# Altium PCB main - Copy.PcbDoc (part 1 of 14) (continued)
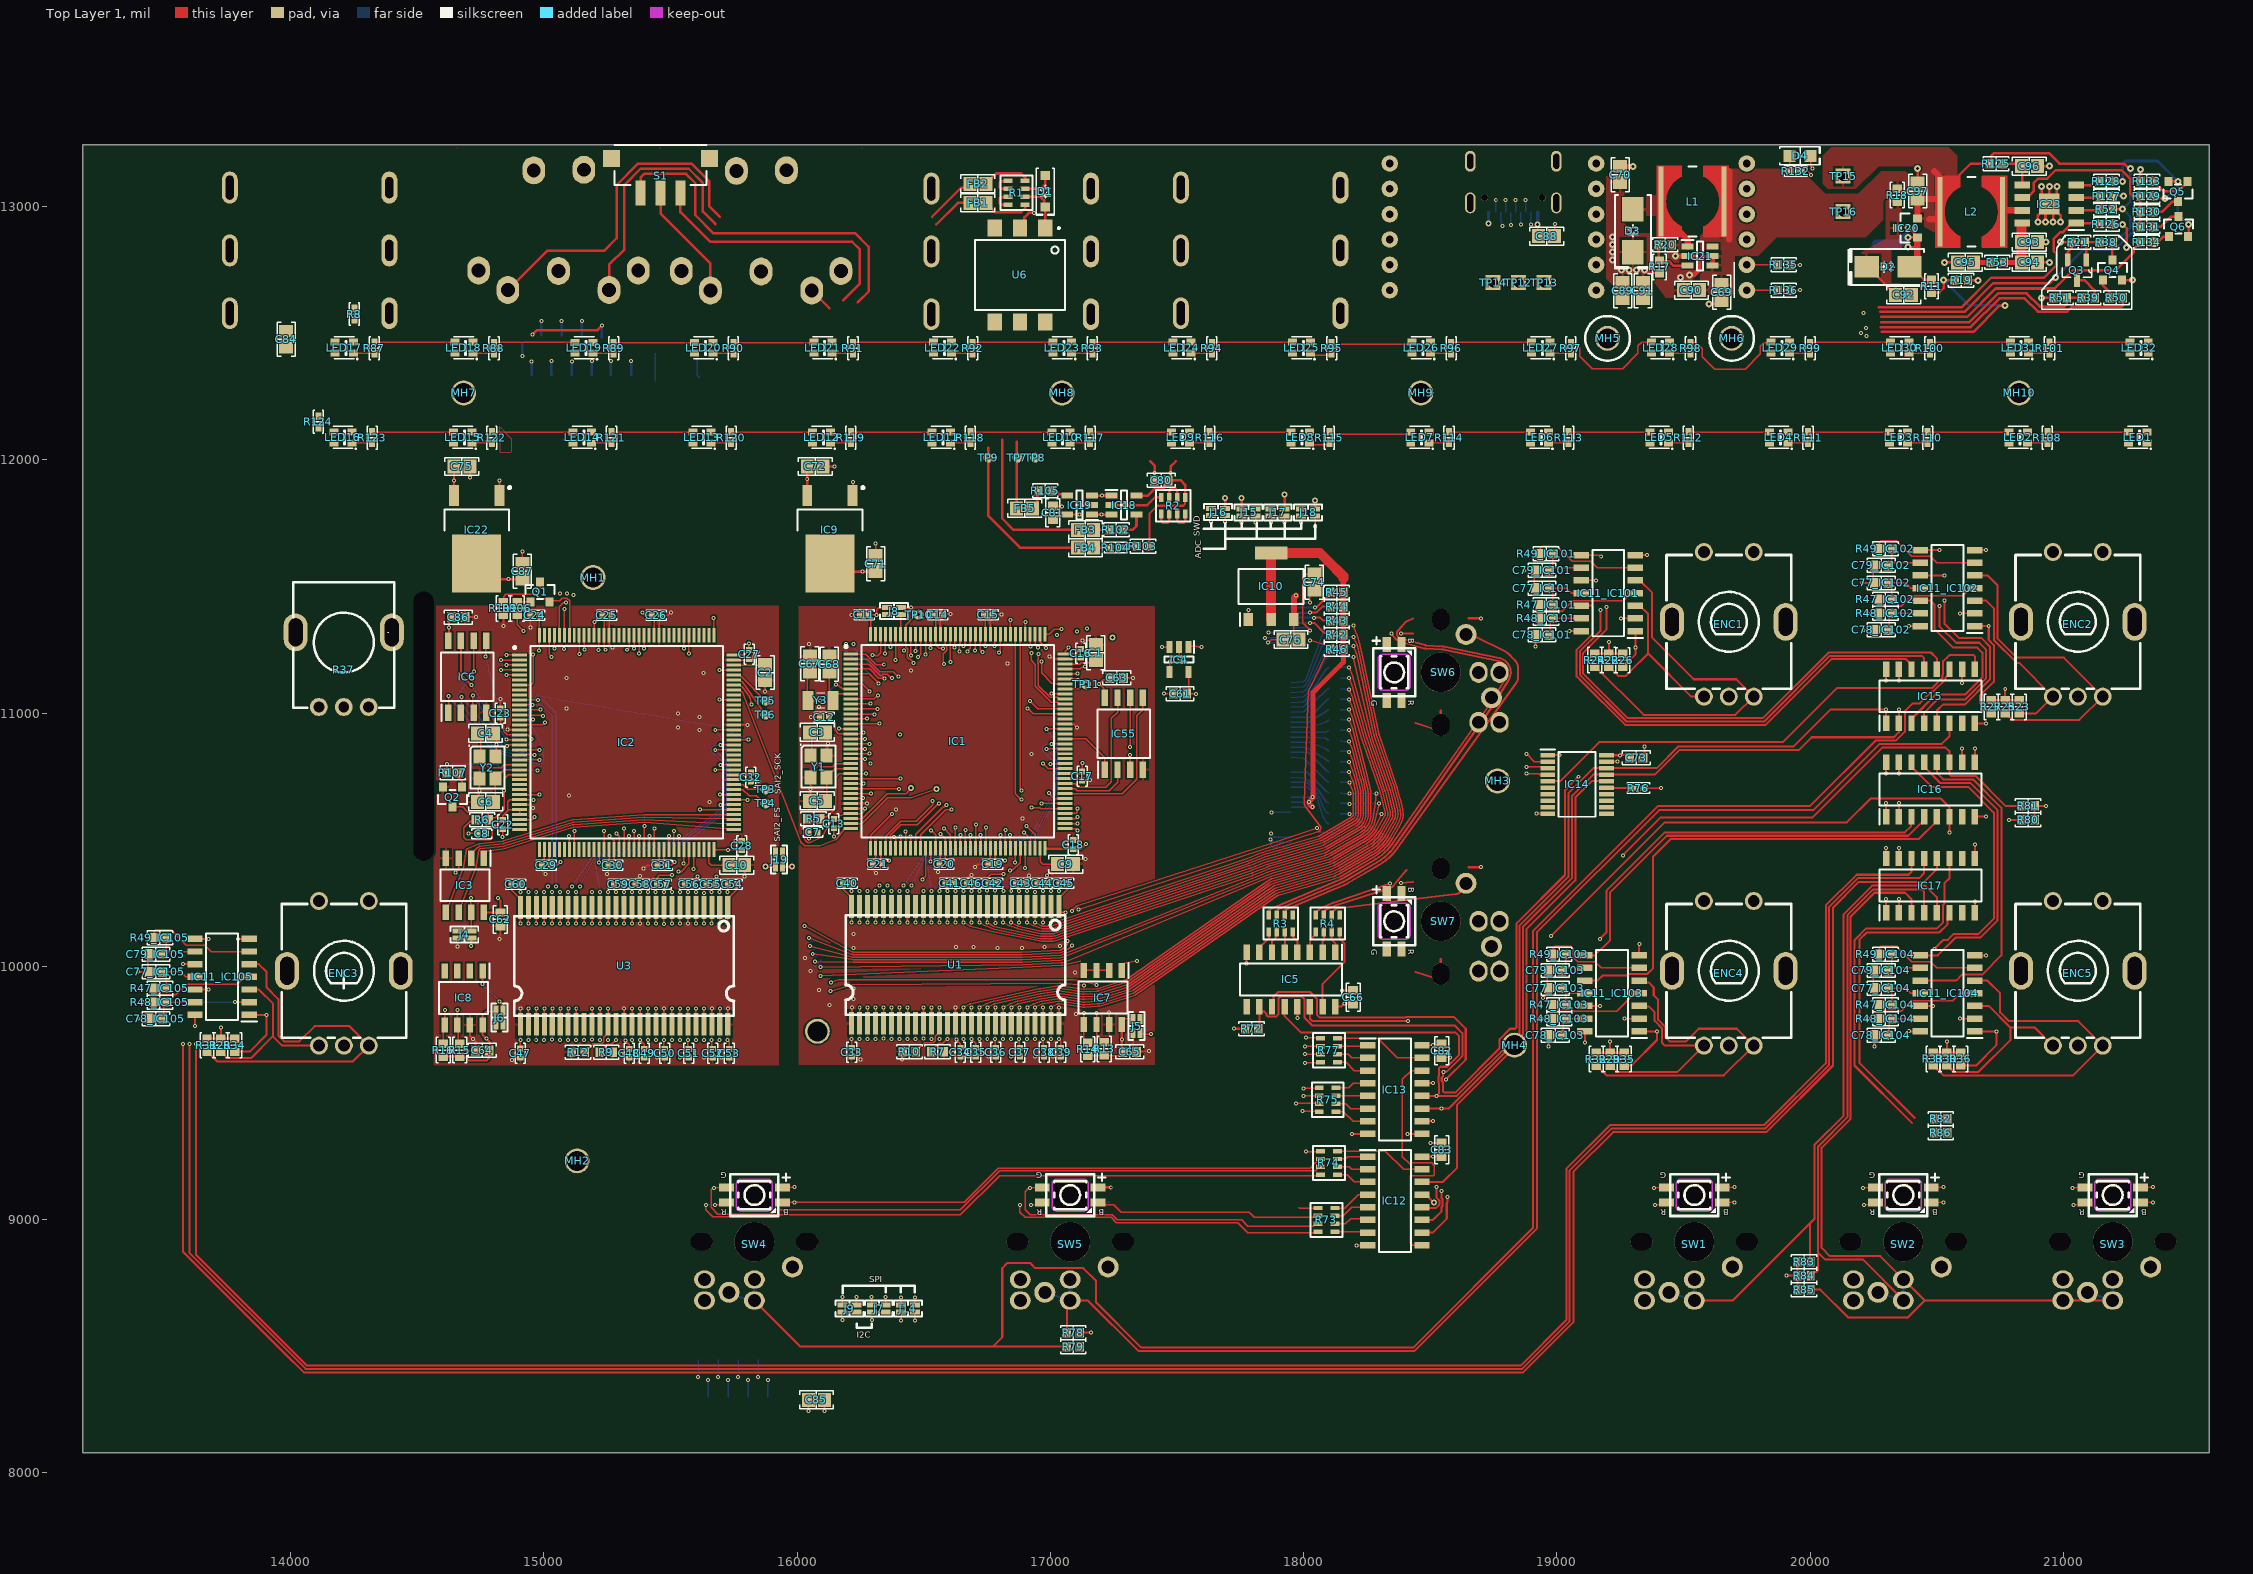
[diagram p0: Top Layer 1 view]
## Components (designator, comment, footprint, x,y, rotation, side; value= is the part's Value field where it differs from the comment) (continued)
ENC4 "Encoder_15mm" EC11_15mm 19678.75,9982.6 r0 top
ENC5 "Encoder_15mm" EC11_15mm 21056.7,9982.6 r0 top
FB1 "220 Ohms @ 100 MHz" "FER 0805_2012" 16713.5,13015 r0 top
FB2 "220 Ohms @ 100 MHz" "FER 0805_2012" 16713.5,13090 r0 top
FB3 "220 Ohms @ 100 MHz" "FER 0805_2012" 17138.5,11723.82 r180 top
FB4 "220 Ohms @ 100 MHz" "FER 0805_2012" 17138.5,11653.82 r180 top
FB5 "220 Ohms @ 100 MHz" "FER 0805_2012" 16898.5,11808.62 r180 top
H1 "arduino_header_6" header-6_female 19154.81,12669.99 r90 bottom
H2 "arduino_header_6" header-6_female 19749.81,13169.99 r270 bottom
H3 "FFC_50_DBG" FFC_50_DBG 17861.42,10805.71 r90 bottom
H4 "arduino_header_6" header-6_female 18340,12670 r90 bottom
IC1 "STM32H743ZIT6U" QFP50P2200X2200X160-144N 16635,10888.82 r0 top
IC2 "STM32H743ZIT6U" QFP50P2200X2200X160-144N 15326.76,10884.63 r0 top
IC3 "LY68L6400SLIT" SOIC127P600X175-8N 14688.33,10320.26 r270 top
IC4 "SN74LVC1G125DBVR" SOT95P280X145-5N 17508.39,11211.73 r270 top
IC5 "74HC595D_BJ_" SOIC127P600X175-16N 17950,9948.82 r270 top
IC6 "N25Q128A13ESE40F" SOIC127P790X216-8N 14697.62,11143.9 r90 top
IC7 "AT24C128BN-SH-B" SOIC127P600X175-8N 17207.09,9877.2 r270 top
IC8 "AT24C128BN-SH-B" SOIC127P600X175-8N 14683.33,9875.26 r270 top
IC9 "LD1117DT33TR" TO228P972X240-3N 16129.76,11687.56 r270 top
IC10 "ams1117-3.3v" SOT-223 17871.42,11500.71 r90 top
IC11_IC101 "74VHCT14AM" SOIC127P600X175-14N 19202.72,11473.82 r180 top (schematic designator IC11)
IC11_IC102 "74VHCT14AM" SOIC127P600X175-14N 20542.28,11493.82 r180 top (schematic designator IC11)
IC11_IC103 "74VHCT14AM" SOIC127P600X175-14N 19217.72,9893.82 r180 top (schematic designator IC11)
IC11_IC104 "74VHCT14AM" SOIC127P600X175-14N 20542.28,9893.82 r180 top (schematic designator IC11)
IC11_IC105 "74VHCT14AM" SOIC127P600X175-14N 13730,9958.82 r180 top (schematic designator IC11)
IC12 "74HC595D_BJ_" SOIC127P600X175-16N 18360,9073.82 r0 top
IC13 "74HC595D_BJ_" SOIC127P600X175-16N 18360,9513.82 r0 top
IC14 "SN74HC245PWR" SOP65P640X120-20N 19080,10718.82 r0 top
IC15 "74HC165D_BJ_" SOIC127P600X175-16N 20475,11066.53 r90 top
IC16 "74HC165D_BJ_" SOIC127P600X175-16N 20475,10698.82 r90 top
IC17 "74HC165D_BJ_" SOIC127P600X175-16N 20475,10318.82 r90 top
IC18 "SN74LVC1G125DBVR" SOT95P280X145-5N 17290.79,11821.22 r0 top
IC19 "SN74LVC1G125DBVR" SOT95P280X145-5N 17115.79,11821.22 r180 top
IC20 "DMP1045U-7" "DIODES SOT-23-3" 20384.02,12915 r180 top
IC21 "MT3608" SOT95P280X145-6N 19565.6,12804.4 r0 top
IC22 "LD1117DT33TR" TO228P972X240-3N 14734.76,11687.56 r270 top
IC23 "IP2312" SOIC127P600X165-9N 20944.02,13010 r180 top
IC55 "N25Q128A13ESE40F" SOIC127P790X216-8N 17290,10918.82 r90 top
J1 "0528081271" AFA11-S12GLA-00 14912.44,12483.82 r0 bottom
J2 "0528081271" AFA11-S12GLA-00 15699.92,12483.82 r0 bottom
J3 "0528081271" AFA11-S12GLA-00 15609.41,8446.46 r0 bottom
J4 "" "CON: JUMPER x2"#1 14658.33,10125.26 r270 top
J5 "" "CON: JUMPER x2"#1 17340.87,9737.09 r0 top
J6 "" "CON: JUMPER x2"#1 14824.55,9770.14 r0 top
J7 "" "CON: JUMPER x2"#2 16350,8648.82 r90 top
J8 "" "CON: JUMPER x2"#3 16354.88,11402.6 r90 top
J9 "" "CON: JUMPER x2"#3 16178.66,8648.94 r90 top
J14 "" "CON: JUMPER x2"#2 16465.12,8648.82 r90 top
J15 "" "CON: JUMPER x2"#2 17810.12,11792.6 r90 top
J16 "" "CON: JUMPER x2"#2 17690,11793.82 r90 top
J17 "" "CON: JUMPER x2"#2 17925.12,11792.6 r90 top
J18 "" "CON: JUMPER x2"#2 18045.12,11792.6 r90 top
J19 "" "CON: JUMPER x2"#2 15928.78,10393.82 r0 top
J20 "TYPE-C-31-M-12" "HRO_TYPE-C-31-M-12 - REZONIT" 18827.81,13178.99 r0 bottom
JK1 "MIDI_IN" DIN5 15057.75,12945.5 r180 bottom
JK2 "MIDI_OUT/THRU" DIN5 15857.75,12943.5 r180 bottom
L1 "3.3 µH" "BOURNS SRR6028" 19535.79,13019.99 r180 top
L2 "3.3 µH" "BOURNS SRR6028" 20635.98,12980 r180 top
LED1 "WS2812B" WS2812B_2.2x2mm 21292.3,12087.25 r180 top
LED2 "WS2812B" WS2812B_2.2x2mm 20819.85,12087.25 r180 top
LED3 "WS2812B" WS2812B_2.2x2mm 20347.41,12087.25 r180 top
LED4 "WS2812B" WS2812B_2.2x2mm 19874.97,12087.25 r180 top
LED5 "WS2812B" WS2812B_2.2x2mm 19402.53,12087.25 r180 top
LED6 "WS2812B" WS2812B_2.2x2mm 18930.09,12087.25 r180 top
LED7 "WS2812B" WS2812B_2.2x2mm 18457.65,12087.25 r180 top
LED8 "WS2812B" WS2812B_2.2x2mm 17985.21,12087.25 r180 top
LED9 "WS2812B" WS2812B_2.2x2mm 17512.77,12087.25 r180 top
LED10 "WS2812B" WS2812B_2.2x2mm 17040.33,12087.25 r180 top
LED11 "WS2812B" WS2812B_2.2x2mm 16567.89,12087.25 r180 top
LED12 "WS2812B" WS2812B_2.2x2mm 16095.45,12087.25 r180 top
LED13 "WS2812B" WS2812B_2.2x2mm 15623,12087.25 r180 top
LED14 "WS2812B" WS2812B_2.2x2mm 15150.56,12087.25 r180 top
LED15 "WS2812B" WS2812B_2.2x2mm 14678.12,12087.25 r180 top
LED16 "WS2812B" WS2812B_2.2x2mm 14205.68,12087.25 r180 top
LED17 "WS2812B" WS2812B_2.2x2mm 14210.88,12441.31 r180 top
LED18 "WS2812B" WS2812B_2.2x2mm 14683.32,12441.31 r180 top
LED19 "WS2812B" WS2812B_2.2x2mm 15157.48,12440.94 r180 top
LED20 "WS2812B" WS2812B_2.2x2mm 15629.92,12440.94 r180 top
LED21 "WS2812B" WS2812B_2.2x2mm 16100.64,12441.31 r180 top
LED22 "WS2812B" WS2812B_2.2x2mm 16573.08,12441.31 r180 top
LED23 "WS2812B" WS2812B_2.2x2mm 17045.52,12441.31 r180 top
LED24 "WS2812B" WS2812B_2.2x2mm 17517.96,12441.31 r180 top
LED25 "WS2812B" WS2812B_2.2x2mm 17990.4,12441.31 r180 top
LED26 "WS2812B" WS2812B_2.2x2mm 18462.85,12441.31 r180 top
LED27 "WS2812B" WS2812B_2.2x2mm 18935.29,12441.31 r180 top
LED28 "WS2812B" WS2812B_2.2x2mm 19407.73,12441.31 r180 top
LED29 "WS2812B" WS2812B_2.2x2mm 19880.17,12441.31 r180 top
LED30 "WS2812B" WS2812B_2.2x2mm 20352.61,12441.31 r180 top
LED31 "WS2812B" WS2812B_2.2x2mm 20825.05,12441.31 r180 top
LED32 "WS2812B" WS2812B_2.2x2mm 21297.49,12441.31 r180 top
MH1 "MountingHole" Hole_2.5mm 15193.93,11535.48 r0 top
MH2 "MountingHole" Hole_2.5mm 15131.49,9232.33 r0 top
MH3 "MountingHole" Hole_2.5mm 18765.35,10732.33 r0 top
MH4 "MountingHole" Hole_2.5mm 18832.28,9689.03 r0 top
MH5 "MountingHole" Hole_2.5mm 19200,12480 r0 top
MH6 "MountingHole" Hole_2.5mm 19690,12480 r0 top
MH7 "MountingHole" Hole_2.5mm 14683.32,12264.14 r0 top
MH8 "MountingHole" Hole_2.5mm 17045.52,12264.14 r0 top
MH9 "MountingHole" Hole_2.5mm 18462.85,12264.14 r0 top
MH10 "MountingHole" Hole_2.5mm 20825.05,12264.14 r0 top
PJ1 "PJ-609AE" PJ609AE 14390,13075 r270 bottom
PJ2 "PJ-609AE" PJ609AE 17160.01,13071.06 r270 bottom
PJ3 "PJ-609AE" PJ609AE 18144.93,13075 r270 bottom
Q1 "MMBT3904-7-F" "DIODES SOT-23-3" 14985,11478.82 r90 top
Q2 "MMBT3904-7-F" "DIODES SOT-23-3" 14640,10668.82 r270 top
Q3 "3906" SOT-23 21053.39,12749.37 r270 top
Q4 "MMBT3904-7-F" "DIODES SOT-23-3" 21193.39,12749.37 r90 top
Q5 "MMBT3904-7-F" "DIODES SOT-23-3" 21451.89,13059.37 r270 top
Q6 "MMBT3904-7-F" "DIODES SOT-23-3" 21454.02,12920.63 r90 top
R1 "YC164-JR-07100RL" "RESNET 1206-8 CONVEX" 16866.54,13054.25 r0 top
R2 "YC164-JR-07100RL" "RESNET 1206-8 CONVEX" 17485,11818.82 r270 top
R3 "YC164-JR-07100RL" "RESNET 1206-8 CONVEX" 17910,10168.82 r270 top
R4 "YC164-JR-07100RL" "RESNET 1206-8 CONVEX" 18095,10168.66 r270 top
R5 "10 kOhms" "RES 0603_1608" 16065,10583.82 r0 top
R6 "10 kOhms" "RES 0603_1608" 14756.76,10579.63 r0 top
R7 "10 kOhms" "RES 0603_1608" 16554.41,9663.82 r180 top
R8 "100 Ohms" "RES 0402_1005" 14251.97,12575.79 r90 top
R9 "10 kOhms" "RES 0603_1608" 15246.17,9660.61 r180 top
R10 "10 kOhms" "RES 0603_1608" 16443.23,9663.82 r0 top
R11 "10 kOhms" "RES 0603_1608" 20479.02,12685.59 r90 top
R12 "10 kOhms" "RES 0603_1608" 15134.99,9661.6 r0 top
R13 "5.6 kOhms" "RES 0603_1608" 17212.09,9674.02 r270 top
R14 "5.6 kOhms" "RES 0603_1608" 17147.09,9672.8 r270 top
R15 "5.6 kOhms" "RES 0603_1608" 14668.33,9669.67 r270 top
R16 "5.6 kOhms" "RES 0603_1608" 14603.33,9669.67 r270 top
R17 "10 kOhms" "RES 0603_1608" 19405.04,12761.58 r270 top
R18 "Value" "RES 0603_1608" 20344.33,13045.28 r270 top
R19 "10 kOhms" "RES 0603_1608" 20595.88,12708.73 r180 top
R20 "1 kOhms" "RES 0603_1608" 19427.87,12848.61 r180 top
R21 "10 kOhms" "RES 0603_1608" 21057.8,12859.37 r180 top
R22 "10 kOhms" "RES 0603_1608" 19205,11209.41 r90 top
R23 "10 kOhms" "RES 0603_1608" 20825,11024.41 r90 top
R24 "10 kOhms" "RES 0603_1608" 19150,11209.41 r90 top
R25 "10 kOhms" "RES 0603_1608" 20770,11024.41 r90 top
R26 "10 kOhms" "RES 0603_1608" 19260,11208.82 r90 top
R27 "10 kOhms" "RES 0603_1608" 20715,11024.41 r90 top
R28 "10 kOhms" "RES 0603_1608" 13725,9688.82 r90 top
R29 "10 kOhms" "RES 0603_1608" 19210,9633.82 r90 top
R30 "10 kOhms" "RES 0603_1608" 20540,9634.41 r90 top
R31 "10 kOhms" "RES 0603_1608" 13670,9688.82 r90 top
R32 "10 kOhms" "RES 0603_1608" 19155,9633.82 r90 top
R33 "10 kOhms" "RES 0603_1608" 20485,9634.41 r90 top
R34 "10 kOhms" "RES 0603_1608" 13780,9688.82 r90 top
R35 "10 kOhms" "RES 0603_1608" 19265,9633.82 r90 top
R36 "10 kOhms" "RES 0603_1608" 20595,9634.41 r90 top
R37 "100k" POT 14210,11248.82 r0 top
R38 "10 kOhms" "RES 0603_1608" 21168.98,12859.37 r180 top
R39 "7.5 kOhms" "RES 0603_1608" 21097.79,12639.37 r0 top
R40 "22 Ohms" "RES 0402_1005" 18122.64,10560.87 r0 bottom
R41 "22 Ohms" "RES 0402_1005" 18122.64,10602.19 r0 bottom
R42 "10 Ohms" "RES 0603_1608" 18131.01,11310.32 r0 top
R43 "10 Ohms" "RES 0603_1608" 18131.01,11365.32 r0 top
R44 "10 Ohms" "RES 0603_1608" 18131.01,11420.32 r0 top
R45 "10 Ohms" "RES 0603_1608" 18131.01,11476.98 r0 top
R46 "10 kOhms" "RES 0603_1608" 18131.01,11251.98 r0 top
R47_IC101 "10 kOhms" "RES 0603_1608" 18957.13,11428.82 r0 top (schematic designator R47)
R47_IC102 "10 kOhms" "RES 0603_1608" 20296.69,11448.82 r0 top (schematic designator R47)
R47_IC103 "10 kOhms" "RES 0603_1608" 19009.41,9848.82 r0 top (schematic designator R47)
R47_IC104 "10 kOhms" "RES 0603_1608" 20296.69,9848.82 r0 top (schematic designator R47)
R47_IC105 "10 kOhms" "RES 0603_1608" 13484.41,9913.82 r0 top (schematic designator R47)
R48_IC101 "10 kOhms" "RES 0603_1608" 18957.13,11373.82 r0 top (schematic designator R48)
R48_IC102 "10 kOhms" "RES 0603_1608" 20296.69,11393.82 r0 top (schematic designator R48)
R48_IC103 "10 kOhms" "RES 0603_1608" 19009.41,9793.82 r0 top (schematic designator R48)
R48_IC104 "10 kOhms" "RES 0603_1608" 20296.69,9793.82 r0 top (schematic designator R48)
R48_IC105 "10 kOhms" "RES 0603_1608" 13484.41,9858.82 r0 top (schematic designator R48)
R49_IC101 "10 kOhms" "RES 0603_1608" 18957.13,11628.82 r0 top (schematic designator R49)
R49_IC102 "10 kOhms" "RES 0603_1608" 20296.69,11648.82 r0 top (schematic designator R49)
R49_IC103 "10 kOhms" "RES 0603_1608" 19009.41,10048.82 r0 top (schematic designator R49)
R49_IC104 "10 kOhms" "RES 0603_1608" 20296.69,10048.82 r0 top (schematic designator R49)
R49_IC105 "10 kOhms" "RES 0603_1608" 13484.41,10113.82 r0 top (schematic designator R49)
R50 "10 kOhms" "RES 0603_1608" 21208.98,12639.37 r0 top
R51 "2.7 kOhms" "RES 0603_1608" 20987.8,12639.37 r0 top
R52 "1 kOhms" "RES 0603_1608" 21169.61,12990 r0 top
R53 "2 Ohms" "RES 0603_1608" 20738.42,12780 r0 top
R54 "22 Ohms" "RES 0402_1005" 18122.64,10643.5 r0 bottom
R55 "22 Ohms" "RES 0402_1005" 18122.64,10684.82 r0 bottom
R56 "22 Ohms" "RES 0402_1005" 18122.64,10726.14 r0 bottom
R57 "22 Ohms" "RES 0402_1005" 18122.64,10767.45 r0 bottom
R58 "22 Ohms" "RES 0402_1005" 18122.64,10808.77 r0 bottom
R59 "22 Ohms" "RES 0402_1005" 18122.64,10850.08 r0 bottom
R60 "22 Ohms" "RES 0402_1005" 18122.64,10891.4 r0 bottom
R61 "22 Ohms" "RES 0402_1005" 18122.64,10932.71 r0 bottom
R62 "22 Ohms" "RES 0402_1005" 18122.64,10974.03 r0 bottom
R63 "22 Ohms" "RES 0402_1005" 18122.64,11015.35 r0 bottom
R64 "22 Ohms" "RES 0402_1005" 18122.64,11056.66 r0 bottom
R65 "22 Ohms" "RES 0402_1005" 18122.64,11097.98 r0 bottom
R66 "22 Ohms" "RES 0402_1005" 18122.64,11139.29 r0 bottom
R67 "22 Ohms" "RES 0402_1005" 18122.64,11180.61 r0 bottom
R68 "22 Ohms" "RES 0402_1005" 18122.64,11221.92 r0 bottom
R69 "22 Ohms" "RES 0402_1005" 18122.64,11263.24 r0 bottom
R70 "22 Ohms" "RES 0402_1005" 18122.64,11304.56 r0 bottom
R71 "22 Ohms" "RES 0402_1005" 18122.64,11345.87 r0 bottom
R72 "10 kOhms" "RES 0603_1608" 17794.41,9753.82 r180 top
R73 "YC164-JR-07100RL" "RESNET 1206-8 CONVEX" 18090,8998.82 r0 top
R74 "YC164-JR-07100RL" "RESNET 1206-8 CONVEX" 18100,9223.82 r0 top
R75 "YC164-JR-07100RL" "RESNET 1206-8 CONVEX" 18095,9473.82 r0 top
R76 "100 Ohms" "RES 0402_1005" 19322.08,10704.37 r180 top
R77 "YC164-JR-07100RL" "RESNET 1206-8 CONVEX" 18100,9668.82 r0 top
R78 "10 kOhms" "RES 0603_1608" 17090,8553.82 r0 top
R79 "10 kOhms" "RES 0603_1608" 17090,8498.82 r0 top
R80 "10 kOhms" "RES 0603_1608" 20860.59,10578.82 r0 top
R81 "10 kOhms" "RES 0603_1608" 20860.59,10633.82 r0 top
R82 "10 kOhms" "RES 0603_1608" 20515.59,9398.82 r0 top
R83 "10 kOhms" "RES 0603_1608" 19975.59,8833.82 r180 top
R84 "10 kOhms" "RES 0603_1608" 19975.59,8778.82 r180 top
R85 "10 kOhms" "RES 0603_1608" 19975.59,8723.82 r180 top
R86 "10 kOhms" "RES 0603_1608" 20515.59,9343.82 r0 top
R87 "100 Ohms" "RES 0402_1005" 14330.71,12440.94 r270 top
R88 "100 Ohms" "RES 0402_1005" 14803.15,12440.59 r270 top
R89 "100 Ohms" "RES 0402_1005" 15275.59,12440.59 r270 top
R90 "100 Ohms" "RES 0402_1005" 15748.03,12440.59 r270 top
R91 "100 Ohms" "RES 0402_1005" 16220.47,12440.59 r270 top
R92 "100 Ohms" "RES 0402_1005" 16692.91,12440.59 r270 top
R93 "100 Ohms" "RES 0402_1005" 17165.35,12440.59 r270 top
R94 "100 Ohms" "RES 0402_1005" 17637.79,12440.59 r270 top
R95 "100 Ohms" "RES 0402_1005" 18110.24,12440.59 r270 top
R96 "100 Ohms" "RES 0402_1005" 18582.68,12440.59 r270 top
R97 "100 Ohms" "RES 0402_1005" 19055.12,12440.59 r270 top
R98 "100 Ohms" "RES 0402_1005" 19527.56,12440.59 r270 top
R99 "100 Ohms" "RES 0402_1005" 20000,12440.59 r270 top
R100 "100 Ohms" "RES 0402_1005" 20472.44,12440.59 r270 top
R101 "100 Ohms" "RES 0402_1005" 20944.88,12440.94 r270 top
R102 "10 Ohms" "RES 0603_1608" 17260.59,11723.82 r180 top
R103 "10 Ohms" "RES 0603_1608" 17365.59,11658.82 r180 top
R104 "22 Ohms" "RES 0402_1005" 17257.64,11653.82 r180 top
R105 "10 Ohms" "RES 0603_1608" 16979.41,11878.62 r180 top
R106 "10 kOhms" "RES 0603_1608" 14895,11413.23 r90 top
R107 "10 kOhms" "RES 0603_1608" 14640,10763.82 r0 top
R108 "100 Ohms" "RES 0402_1005" 20936.24,12087.61 r270 top
R109 "10 kOhms" "RES 0603_1608" 14840,11413.23 r270 top
R110 "100 Ohms" "RES 0402_1005" 20463.8,12087.61 r270 top
R111 "100 Ohms" "RES 0402_1005" 19991.36,12087.61 r270 top
R112 "100 Ohms" "RES 0402_1005" 19518.92,12087.61 r270 top
R113 "100 Ohms" "RES 0402_1005" 19046.48,12087.61 r270 top
R114 "100 Ohms" "RES 0402_1005" 18574.04,12087.61 r270 top
R115 "100 Ohms" "RES 0402_1005" 18101.6,12087.61 r270 top
R116 "100 Ohms" "RES 0402_1005" 17629.16,12087.61 r270 top
R117 "100 Ohms" "RES 0402_1005" 17156.72,12087.61 r270 top
R118 "100 Ohms" "RES 0402_1005" 16684.27,12087.61 r270 top
R119 "100 Ohms" "RES 0402_1005" 16211.83,12087.61 r270 top
R120 "100 Ohms" "RES 0402_1005" 15739.39,12087.61 r270 top
R121 "100 Ohms" "RES 0402_1005" 15266.95,12087.61 r270 top
R122 "100 Ohms" "RES 0402_1005" 14794.51,12087.61 r270 top
R123 "100 Ohms" "RES 0402_1005" 14322.07,12087.61 r270 top
R124 "100 Ohms" "RES 0402_1005" 14110,12150 r90 top
R125 "500 mOhms" "RES 0603_1608" 20734.02,13170 r180 top
R126 "" "RES 0603_1608" 21169.61,12930 r0 top value="1 kOhms"
R127 "1 kOhms" "RES 0603_1608" 21170,13040 r0 top
R128 "51 kOhms" "RES 0603_1608" 21169.61,13100 r180 top
R129 "330 kOhms" "RES 0603_1608" 21329.61,13040 r180 top
R130 "220 kOhms" "RES 0603_1608" 21329.61,12980 r180 top
R131 "51 kOhms" "RES 0603_1608" 21329.61,12920 r180 top
R132 "100 Ohms" "RES 0402_1005" 19942.64,13140 r0 top
R133 "10 kOhms" "RES 0603_1608" 21329.61,13100 r0 top
R134 "10 kOhms" "RES 0603_1608" 21328.42,12860 r0 top
R135 "=Value" "RES 0603_1608" 19895.59,12770 r180 top
R136 "=Value" "RES 0603_1608" 19895.59,12670 r180 top
S1 "SS312SAH4-R" "NKK SS312SAH4" 15460.66,13164.89 r270 top
SW1 "Kailh" KAILH_UNI_MX_smdRGB 19542.61,8913.12 r180 top
SW2 "Kailh" KAILH_UNI_MX_smdRGB 20367.72,8913.12 r180 top
SW3 "Kailh" KAILH_UNI_MX_smdRGB 21194.5,8913.12 r180 top
SW4 "Kailh" KAILH_UNI_MX_smdRGB 15831.38,8913.12 r180 top
SW5 "Kailh" KAILH_UNI_MX_smdRGB 17078.06,8913.12 r180 top
SW6 "Kailh" KAILH_UNI_MX_smdRGB 18541.34,11160.81 r270 top
SW7 "Kailh" KAILH_UNI_MX_smdRGB 18541.34,10178.22 r270 top
TP1 "UART4_TX" TESTPOINT_VIA#1 16450.09,10705.2 r90 bottom
TP2 "UART4_RX" TESTPOINT_VIA#2 16551.09,10701.2 r90 bottom
TP3 "SAI2_SCK" TESTPOINT 15875,10698.82 r180 top
TP4 "SAI2_FS" TESTPOINT 15875,10643.82 r180 top
TP5 "USER_DBG1" TESTPOINT 15875,11048.82 r0 top
TP6 "USER_DBG2" TESTPOINT 15875,10993.82 r0 top
TP7 "" TESTPOINT_VIA#3 16870,12008.82 r90 top
TP8 "" TESTPOINT_VIA#3 16940,12008.82 r90 top
TP9 "" TESTPOINT_VIA#3 16755,12008.82 r90 top
TP10 "UART1_RX_boot" TESTPOINT_VIA#3 16480,11388.82 r90 top
TP11 "UART1_TX_boot" TESTPOINT_VIA#4 17141.46,11113.66 r90 top
TP12 "ToPower" TESTPOINT_PAD 18847.89,12700.05 r90 top
TP13 "ToPower" TESTPOINT_PAD 18949.81,12699.99 r90 top
TP14 "ToPower" TESTPOINT_PAD 18747.89,12700.05 r90 top
TP15 "ToBAT+" TESTPOINT_PAD 20130,13120 r90 top
TP16 "ToBAT-" TESTPOINT_PAD 20130,12980 r90 top
U1 "W9812G6KH-6" TSOP-54 16625,10005.91 r180 top
U2 "W9812G6KH-6" TSOP-54 16625,10005.91 r180 bottom
U3 "W9812G6KH-6" TSOP-54 15316.7,10001.77 r180 top
U4 "W9812G6KH-6" TSOP-54 15316.7,10001.77 r180 bottom
U6 "H11L1" "SOIC254 DIP-6" 16880,12730 r270 top
Y1 "24MHz" "NDK NX3225SA" 16085,10788.82 r270 top
Y2 "24MHz" "NDK NX3225SA" 14776.76,10784.63 r270 top
Y3 "ABS07-32.768KHZ-7-T" ABS07 16093.09,11050.2 r180 top

## Footprints (in the part's own frame and the unit in brackets; to place one, negate y for a bottom-side part, rotate by r counter-clockwise, add the part's x,y. Pads: shape width x height; smd on the part's side, far side on the other; paste and mask are expansions set on the pad)
ABS07 [mm]
  rect 1.1x1.9 smd: 1(-1.25,0) 2(1.25,0)
  silkscreen extent -0.4,-0.75 0.4,0.75, body extent -1.6,-0.75 1.6,0.75, height 0.9
AFA11-S12GLA-00 [mm]
  rect 0.6x1.75 smd paste+0 mask+0.05: 1(0,0) 2(1,3.75) 3(2,0) 4(3,3.75) 5(4,0) 6(5,3.75) 7(6,0) 8(7,3.75) 9(8,0) 10(9,3.75) 11(10,0) 12(11,3.75)
  rect 2x1.6 smd paste+0 mask+0.05: 13(13.4,1.875) 14(-2.4,1.875)
  silkscreen extent -4.04,-0.66 15.04,3.13, body extent -3.69,-0.35 14.71,4.16, height 5.35
"BOURNS SRR6028" [mm] "Precision Wire Wound Inductor, 2-Leads, Body 6.80x6.80mm, IPC Medium Density"
  rect 0.5x7 smd: 1(-3.15,0) 2(3.15,0)
  Top Layer 1 region: 3.6,3.6 1.1,3.6 1.1,2.5 1.4,2.4 1.7,2.1 1.9,2 2.1,1.7 2.3,1.4 2.5,1 2.6,0.7 2.7,0.3 2.7,0 3.6,0
  Top Layer 1 region: 3.6,-3.6 1.1,-3.6 1.1,-2.5 1.4,-2.4 1.7,-2.1 1.9,-2 2.1,-1.7 2.3,-1.4 2.5,-1 2.6,-0.7 2.7,-0.3 2.7,0 3.6,0
  Top Layer 1 region: -3.6,-3.6 -1.1,-3.6 -1.1,-2.5 -1.4,-2.4 -1.7,-2.1 -1.9,-2 -2.1,-1.7 -2.3,-1.4 -2.5,-1 -2.6,-0.7 -2.7,-0.3 -2.7,0 -3.6,0
  Top Layer 1 region: -3.6,3.6 -1.1,3.6 -1.1,2.5 -1.4,2.4 -1.7,2.1 -1.9,2 -2.1,1.7 -2.3,1.4 -2.5,1 -2.6,0.7 -2.7,0.3 -2.7,0 -3.6,0
  Top Layer 1 lines w0.1: 1.1,3.55 1.1,2.5 cw(c0,0) 2.731,0 cw(c0,0) 1.1,-2.5 1.1,-3.55 ; -1.1,3.55 -1.1,2.5 ccw(c0,0) -2.731,0 ccw(c0,0) -1.1,-2.5 -1.1,-3.55
  silkscreen extent -0.4,-3.5 0.4,3.5, body extent -3.4,-3.4 3.4,3.4, height 2.8
"CAP 0402_1005" [mm] "Chip Capacitor, 2-Leads, Body 1.02x0.51mm, IPC Medium Density"
  rect 0.6x0.64 smd: 1(-0.44,0) 2(0.44,0)
  silkscreen extent -1,-0.5 1,0.5, body extent -0.5,-0.26 0.5,0.26, height 0.52
"CAP 0603_1608" [mm] "Chip Capacitor, 2-Leads, Body 1.60x0.80mm, IPC Medium Density"
  rect 0.9x1 smd: 1(-0.675,0) 2(0.675,0)
  silkscreen extent -1.4,-0.7 1.4,0.7, body extent -0.8,-0.41 0.8,0.41, height 0.82
"CAP 0805_2012" [mm] "Chip Capacitor, 2-Leads, Body 2.00x1.20mm, IPC Medium Density"
  rect 1.3x1.4 smd: 1(-0.8,0) 2(0.8,0)
  silkscreen extent -1.7,-0.9 1.7,0.9, body extent -1,-0.64 1,0.64, height 1.26
"CON: JUMPER x2"#1 [mm]
  rect 0.5x1 smd mask+0.102: 1(-0.35,1.4) 2(0.35,1.4) 3(-0.35,0) 4(0.35,0)
  silkscreen extent -0.8,-0.7 0.8,2.1
"CON: JUMPER x2"#2 [mm]
  rect 0.5x1 smd: 1(-0.35,1.4) 2(0.35,1.4) 3(-0.35,0) 4(0.35,0)
  silkscreen extent -0.8,-0.7 0.8,2.1
"CON: JUMPER x2"#3 [mm]
  rect 0.5x1 smd: 1(-0.35,-1.4) 2(0.35,-1.4) 3(-0.35,0) 4(0.35,0)
  silkscreen extent -0.8,-2.1 0.8,0.7
DIN5 [mil] "PCB mount"
  oval 90x110 hole 55: 1(315,-198) 2(0,-200) 3(-315,-198) 4(200,-275) 5(-200,-275) 6(-100,200) 6(97.5,197.5)
  Top Layer 1 lines w5: 400,285 398,287 ; -398,287 -400,285
  silkscreen extent -400,-175 400,287, body extent -398,-299 398,290, height 815
"DIODES SOT-23-3" [mm] "SOT23, 3-Leads, Body 2.90x2.40mm, Pitch 0.95mm, IPC Medium Density"
  rect 0.9x0.8 smd: 1(-1,0.95) 2(-1,-0.95) 3(1,0)
  silkscreen extent -0.7,-1.45 0.7,1.45, body extent -1.41,-1.45 1.41,1.45, height 1.5
"DO214AA SMB" [mm] "Molded Diode, 2-Leads, Body 4.31x3.62mm, IPC Medium Density"
  rect 2.45x2.15 smd: 1(-2.15,0) 2(2.15,0)
  silkscreen extent -3.6,-1.8 3.8,1.8, body extent -2.6,-1.8 2.6,1.8, height 2.4
EC11_15mm [mm]
  round 1.8 hole 1.2: 1(-2.5,7) 2(2.5,7) A(-2.5,-7.5) B(2.5,-7.5) C(0,-7.5)
  oval 2.4x3.8 hole 1.4 slot 2.8 at 90 deg: MT1(-5.7,0) MT2(5.7,0)
  silkscreen extent -6.25,-6.7 6.25,6.7, body extent -6,-7.67 6,7.25, height 21.9
"FER 0805_2012" [mm] "Chip Ferrite, 2-Leads, Body 2.00x1.20mm, IPC Medium Density"
  rect 1.3x1.4 smd: 1(-0.8,0) 2(0.8,0)
  silkscreen extent -1.7,-0.9 1.7,0.9, body extent -1,-0.64 1,0.64, height 1.26
FFC_50_DBG [mm]
  rect 0.3x2.6 smd: 1(-8.5,2.25) 2(-8,2.25) 3(-7.5,2.25) 4(-7,2.25) 5(-6.5,2.25) 6(-6,2.25) 7(-5.5,2.25) 8(-5,2.25) 9(-4.5,2.25) 10(-4,2.25) 11(-3.5,2.25) 12(-3,2.25) 13(-2.5,2.25) 14(-2,2.25) 15(-1.5,2.25) 16(-1,2.25) 17(-0.5,2.25) 18(0,2.25) 19(0.5,2.25) 20(1,2.25) 21(1.5,2.25) 22(2,2.25) 23(2.5,2.25) 24(3,2.25) 25(3.5,2.25) 26(4,2.25) 27(4.5,2.25) 28(5,2.25) 29(5.5,2.25) 30(6,2.25) 31(6.5,2.25) 32(7,2.25) 33(7.5,2.25) 34(8,2.25) 35(8.5,2.25) 36(9,2.25) 37(9.5,2.25) 38(10,2.25) 39(10.5,2.25) 40(11,2.25) 41(11.5,2.25) 42(12,2.25) 43(12.5,2.25) 44(13,2.25) 45(13.5,2.25) 46(14,2.25) 47(14.5,2.25) 48(15,2.25) 49(15.5,2.25) 50(16,2.25)
  rect 2.65x3.5 smd: MP1(-10.312,0.356) MP1(17.812,0.356)
  silkscreen extent -11.5,-2.29 17.35,4.01, body extent -11.49,-2.32 19.01,3.32, height 2.06
header-6_female [mil]
  round 65 hole 30: 1(0,0) 2(100,0) 3(200,0) 4(300,0) 5(400,0) 6(500,0)
  silkscreen extent -65,-50 565,50, body extent -66,-50 566,50, height 335
Hole_2.5mm [mm]
  round 2.5 hole 2: 0(0,0)
  body extent -0.5,-0.5 0.5,0.5, height 0.5
"HRO_TYPE-C-31-M-12 - REZONIT" [mm]
  rect 0.6x1.45 smd: A1B12(-3.25,5.095) A4B9(-2.45,5.095) B1A12(3.25,5.095) B4A9(2.45,5.095)
  rect 0.3x1.45 smd: A5(-1.25,5.095) A6(-0.25,5.095) A7(0.25,5.095) A8(1.25,5.095) B5(1.75,5.095) B6(0.75,5.095) B7(-0.75,5.095) B8(-1.75,5.095)
  oval 1.05x2.1 hole 0.6 slot 1.75 at 90 deg: S1(-4.32,4.18) S2(4.32,4.18)
  oval 1.05x2.1 hole 0.6 slot 1.5 at 90 deg: S3(-4.32,0) S4(4.32,0)
  round 0.7 hole 0.7 unplated: ""(-2.89,3.65) ""(2.89,3.65)
  silkscreen extent -4.47,-2.6 4.47,6.5, body extent -4.47,-2.6 4.47,5.31, height 3.31
KAILH_UNI_MX_smdRGB [mm] "Universal footprint for low-profile and regular switches, direct solder. Kailh RGB Black also supported without led"
  rect 1.5x0.82 smd paste+0 mask+0.051: 1(2.8,-3.924) 2(2.8,-5.424) 3(-2.8,-5.424) 4(-2.8,-3.924)
  rect 1.5x0.82 smd far side paste+0 mask+0.051: 1(2.8,-3.924) 2(2.8,-5.424) 3(-2.8,-5.424) 4(-2.8,-3.924)
  round 2.1 hole 1.3: S1(-3.81,2.54) S2(2.54,5.08)
  oval 2.1x1.8 hole 1.3: S1(5,3.8) S1(5,5.9) S2(0,5.9) S2(0,3.8)
  oval 2.2x1.7 hole 1.7 slot 2.2 at 0 deg unplated paste-2539.97: ""(-5.29,0) ""(5.29,0)
  round 3.98 hole 3.98 unplated paste-2539.97: ""(0,0)
  Keep-Out Layer board cut-out: -1.8,-5.874 -1.746,-6.074 -1.6,-6.22 -1.4,-6.274 -1.4,-6.274 -1.4,-6.274 1.4,-6.274 1.403,-6.274 1.406,-6.274 1.406,-6.274 1.604,-6.218 1.747,-6.072 1.8,-5.874 1.8,-5.874 1.8,-5.874 1.8,-5.874 1.8,-5.874 1.8,-3.474 1.746,-3.274 1.6,-3.127 1.4,-3.074 1.4,-3.074 -1.4,-3.074 -1.4,-3.073 -1.6,-3.127 -1.746,-3.273 -1.8,-3.473 -1.8,-3.473
  Keep-Out Layer board cut-out: 1.8,-5.874 1.746,-6.074 1.6,-6.22 1.4,-6.274 1.4,-6.274 1.4,-6.274 -1.4,-6.274 -1.403,-6.274 -1.406,-6.274 -1.406,-6.274 -1.604,-6.218 -1.747,-6.072 -1.8,-5.874 -1.8,-5.874 -1.8,-5.874 -1.8,-5.874 -1.8,-5.874 -1.8,-3.474 -1.746,-3.274 -1.6,-3.127 -1.4,-3.074 -1.4,-3.074 1.4,-3.074 1.4,-3.073 1.6,-3.127 1.746,-3.273 1.8,-3.473 1.8,-3.473
  silkscreen extent -3.56,-6.83 2.4,-2.57, body extent -7.5,-7.5 7.5,7.5, height 8.2
"LED 0805_2012 RED" [mm] "Chip Diode, 2-Leads, Body 2.00x1.25mm, IPC Medium Density"
  rect 1.2x1.2 smd: 1(-1.05,0) 2(1.05,0)
  silkscreen extent -2.03,-0.9 2.03,0.9, body extent -1,-0.62 1,0.63, height 0.9
"NDK NX3225SA" [mm] "Crystal, 4-Leads, Body 2.50x3.20mm, Pitch 2.20mm, IPC Medium Density"
  rect 1.4x1.2 smd: 1(-1.1,-0.8) 2(1.1,-0.8) 3(1.1,0.8) 4(-1.1,0.8)
  silkscreen extent -2.25,-1.85 2.1,1.7, body extent -1.61,-1.26 1.61,1.26, height 0.6
"NKK SS312SAH4" [mm]
  rect 2.55x1 smd: 1(2.825,-2) 2(2.825,0) 3(2.825,2)
  rect 1.7x1.7 smd: M(-0.65,4.9) M(-0.65,-4.9)
  silkscreen extent -2,-4.6 2,4.6, body extent -3.98,-5.25 3.42,5.25, height 2.9
PJ609AE [mm] "HOOYA"
  oval 3.2x1.6 hole 0.8 slot 2.1 at 0 deg paste-2539.97 mask+0.051: 2(0,0) 4(6.3,0) 6(12.6,0)
  oval 3.2x1.6 hole 0.8 slot 2.4 at 0 deg paste-2539.97 mask+0.051: 3(0,16) 5(6.3,16) 7(12.6,16)
  silkscreen extent -12.7,-2 20.4,18, body extent -12.16,-1.4 21.2,17.09, height 16.2
POT [mm]
  round 1.8 hole 1.1: 1(-2.5,-5.704) 2(0,-5.704) 3(2.5,-5.704)
  oval 2.4x3.8 hole 1.4 slot 2.8 at 90 deg: MT1(-4.826,1.778) MT1(4.826,1.778)
  silkscreen extent -5.08,-5.76 5.08,6.81, body extent -5.64,-5.73 5.64,6.92, height 21.1
QFP50P2200X2200X160-144N [mm]
  rect 1.475x0.3 smd mask+0.102: 1(-10.738,8.75) 2(-10.738,8.25) 3(-10.738,7.75) 4(-10.738,7.25) 5(-10.738,6.75) 6(-10.738,6.25) 7(-10.738,5.75) 8(-10.738,5.25) 9(-10.738,4.75) 10(-10.738,4.25) 11(-10.738,3.75) 12(-10.738,3.25) 13(-10.738,2.75) 14(-10.738,2.25) 15(-10.738,1.75) 16(-10.738,1.25) 17(-10.738,0.75) 18(-10.738,0.25) 19(-10.738,-0.25) 20(-10.738,-0.75) 21(-10.738,-1.25) 22(-10.738,-1.75) 23(-10.738,-2.25) 24(-10.738,-2.75) 25(-10.738,-3.25) 26(-10.738,-3.75) 27(-10.738,-4.25) 28(-10.738,-4.75) 29(-10.738,-5.25) 30(-10.738,-5.75) 31(-10.738,-6.25) 32(-10.738,-6.75) 33(-10.738,-7.25) 34(-10.738,-7.75) 35(-10.738,-8.25) 36(-10.738,-8.75) 73(10.738,-8.75) 74(10.738,-8.25) 75(10.738,-7.75) 76(10.738,-7.25) 77(10.738,-6.75) 78(10.738,-6.25) 79(10.738,-5.75) 80(10.738,-5.25) 81(10.738,-4.75) 82(10.738,-4.25) 83(10.738,-3.75) 84(10.738,-3.25) 85(10.738,-2.75) 86(10.738,-2.25) 87(10.738,-1.75) 88(10.738,-1.25) 89(10.738,-0.75) 90(10.738,-0.25) 91(10.738,0.25) 92(10.738,0.75) 93(10.738,1.25) 94(10.738,1.75) 95(10.738,2.25) 96(10.738,2.75) 97(10.738,3.25) 98(10.738,3.75) 99(10.738,4.25) 100(10.738,4.75) 101(10.738,5.25) 102(10.738,5.75) 103(10.738,6.25) 104(10.738,6.75) 105(10.738,7.25) 106(10.738,7.75) 107(10.738,8.25) 108(10.738,8.75)
  rect 0.3x1.475 smd mask+0.102: 37(-8.75,-10.738) 38(-8.25,-10.738) 39(-7.75,-10.738) 40(-7.25,-10.738) 41(-6.75,-10.738) 42(-6.25,-10.738) 43(-5.75,-10.738) 44(-5.25,-10.738) 45(-4.75,-10.738) 46(-4.25,-10.738) 47(-3.75,-10.738) 48(-3.25,-10.738) 49(-2.75,-10.738) 50(-2.25,-10.738) 51(-1.75,-10.738) 52(-1.25,-10.738) 53(-0.75,-10.738) 54(-0.25,-10.738) 55(0.25,-10.738) 56(0.75,-10.738) 57(1.25,-10.738) 58(1.75,-10.738) 59(2.25,-10.738) 60(2.75,-10.738) 61(3.25,-10.738) 62(3.75,-10.738) 63(4.25,-10.738) 64(4.75,-10.738) 65(5.25,-10.738) 66(5.75,-10.738) 67(6.25,-10.738) 68(6.75,-10.738) 69(7.25,-10.738) 70(7.75,-10.738) 71(8.25,-10.738) 72(8.75,-10.738) 109(8.75,10.738) 110(8.25,10.738) 111(7.75,10.738) 112(7.25,10.738) 113(6.75,10.738) 114(6.25,10.738) 115(5.75,10.738) 116(5.25,10.738) 117(4.75,10.738) 118(4.25,10.738) 119(3.75,10.738) 120(3.25,10.738) 121(2.75,10.738) 122(2.25,10.738) 123(1.75,10.738) 124(1.25,10.738) 125(0.75,10.738) 126(0.25,10.738) 127(-0.25,10.738) 128(-0.75,10.738) 129(-1.25,10.738) 130(-1.75,10.738) 131(-2.25,10.738) 132(-2.75,10.738) 133(-3.25,10.738) 134(-3.75,10.738) 135(-4.25,10.738) 136(-4.75,10.738) 137(-5.25,10.738) 138(-5.75,10.738) 139(-6.25,10.738) 140(-6.75,10.738) 141(-7.25,10.738) 142(-7.75,10.738) 143(-8.25,10.738) 144(-8.75,10.738)
  silkscreen extent -11.35,-9.65 9.65,9.65, body extent -11,-11 11,11, height 1.6
"RES 0402_1005" [mm] "Chip Resistor, 2-Leads, Body 1.0x0.5mm, IPC Medium Density"
  rect 0.75x0.6 smd: 1(-0.575,0) 2(0.575,0)
  silkscreen extent -1.14,-0.51 1.14,0.51, body extent -0.5,-0.25 0.5,0.25, height 0.35
"RES 0603_1608" [mm] "Chip Resistor, 2-Leads, Body 1.60x0.80mm, IPC Medium Density"
  rect 0.85x0.95 smd: 1(-0.65,0) 2(0.65,0)
  silkscreen extent -1.27,-0.7 1.27,0.7, body extent -0.8,-0.4 0.8,0.4, height 0.45
"RESNET 1206-8 CONVEX" [mm] "4 resistor 3.20x1.60mm, 0.7mm high"
  rect 0.9x0.45 smd: 1(-0.85,1.2) 2(-0.85,0.4) 3(-0.85,-0.4) 4(-0.85,-1.2) 5(0.85,-1.2) 6(0.85,-0.4) 7(0.85,0.4) 8(0.85,1.2)
  silkscreen extent -1.6,-1.73 1.6,1.73, body extent -0.84,-1.62 0.84,1.63, height 0.71
SOD-123 [mm] "SOD, 2-Leads, Body 1.55x3.70mm, IPC Medium Density"
  rect 0.9x0.95 smd: 1(-1.575,0) 2(1.575,0)
  silkscreen extent -2.3,-0.92 2.41,0.92, body extent -1.86,-0.78 1.86,0.77, height 1.35
SOIC127P600X165-9N [mm]
  rect 1.525x0.7 smd: 1(-2.712,1.905) 2(-2.712,0.635) 3(-2.712,-0.635) 4(-2.712,-1.905) 5(2.712,-1.905) 6(2.712,-0.635) 7(2.712,0.635) 8(2.712,1.905)
  rect 2.09x2.09 smd: 9(0,0)
  silkscreen extent -3.47,2.61 -1.95,2.61, body extent -3,-2.45 3,2.45, height 1.65
SOIC127P600X175-8N [mm]
  rect 1.525x0.65 smd: 1(-2.712,1.905) 2(-2.712,0.635) 3(-2.712,-0.635) 4(-2.712,-1.905) 5(2.712,-1.905) 6(2.712,-0.635) 7(2.712,0.635) 8(2.712,1.905)
  silkscreen extent -3.48,-2.45 1.6,2.58, body extent -3,-2.45 3,2.45, height 1.75
SOIC127P600X175-14N [mm]
  rect 1.55x0.65 smd: 1(-2.725,3.81) 2(-2.725,2.54) 3(-2.725,1.27) 4(-2.725,0) 5(-2.725,-1.27) 6(-2.725,-2.54) 7(-2.725,-3.81) 8(2.725,-3.81) 9(2.725,-2.54) 10(2.725,-1.27) 11(2.725,0) 12(2.725,1.27) 13(2.725,2.54) 14(2.725,3.81)
  silkscreen extent -3.5,-4.33 1.6,4.48, body extent -3,-4.33 3,4.33, height 1.75
SOIC127P600X175-16N [mm]
  rect 1.55x0.65 smd: 1(-2.725,4.445) 2(-2.725,3.175) 3(-2.725,1.905) 4(-2.725,0.635) 5(-2.725,-0.635) 6(-2.725,-1.905) 7(-2.725,-3.175) 8(-2.725,-4.445) 9(2.725,-4.445) 10(2.725,-3.175) 11(2.725,-1.905) 12(2.725,-0.635) 13(2.725,0.635) 14(2.725,1.905) 15(2.725,3.175) 16(2.725,4.445)
  silkscreen extent -3.5,-5.1 1.6,5.12, body extent -3,-5.1 3,5.1, height 1.75
SOIC127P790X216-8N [mm]
  rect 1.65x0.65 smd: 1(-3.6,1.905) 2(-3.6,0.635) 3(-3.6,-0.635) 4(-3.6,-1.905) 5(3.6,-1.905) 6(3.6,-0.635) 7(3.6,0.635) 8(3.6,1.905)
  silkscreen extent -4.43,-2.64 2.42,2.64, body extent -3.95,-2.64 3.95,2.64, height 2.16
"SOIC254 DIP-6" [mm]
  rect 1.7x1.45 smd: 1(-4.7,2.54) 2(-4.7,0) 3(-4.7,-2.54) 4(4.7,-2.54) 5(4.7,0) 6(4.7,2.54)
  silkscreen extent -4.8,-4.5 3.52,4.5, body extent -5.17,-4.33 5.13,4.3, height 4.6
SOP65P640X120-20N [mm]
  rect 1.475x0.45 smd: 1(-2.938,2.925) 2(-2.938,2.275) 3(-2.938,1.625) 4(-2.938,0.975) 5(-2.938,0.325) 6(-2.938,-0.325) 7(-2.938,-0.975) 8(-2.938,-1.625) 9(-2.938,-2.275) 10(-2.938,-2.925) 11(2.938,-2.925) 12(2.938,-2.275) 13(2.938,-1.625) 14(2.938,-0.975) 15(2.938,-0.325) 16(2.938,0.325) 17(2.938,0.975) 18(2.938,1.625) 19(2.938,2.275) 20(2.938,2.925)
  silkscreen extent -3.67,-3.25 1.85,3.5, body extent -3.2,-3.25 3.2,3.25, height 1.13
SOT95P280X145-5N [mm]
  rect 1.2x0.6 smd: 1(-1.25,0.95) 2(-1.25,0) 3(-1.25,-0.95) 4(1.25,-0.95) 5(1.25,0.95)
  silkscreen extent -1.85,-1.45 0.3,1.5, body extent -1.4,-1.45 1.4,1.45, height 1.2
SOT95P280X145-6N [mm]
  rect 1.2x0.6 smd: 1(-1.25,0.95) 2(-1.25,0) 3(-1.25,-0.95) 4(1.25,-0.95) 5(1.25,0) 6(1.25,0.95)
  silkscreen extent -1.85,-1.45 0.3,1.6, body extent -1.4,-1.45 1.4,1.45, height 1.45
SOT-23 [mil]
  rect 52x22 smd: 1(-40,36) 2(-40,-36) 3(40,0)
  silkscreen extent -9,-59 28,59, body extent -60,-61 58,61, height 57
SOT-223 [mm]
  rect 1.3x0.95 smd: 1(-3.35,2.29) 2(-3.35,0) 3(-3.35,-2.29)
  rect 1.3x3.25 smd: 4(3.35,0)
  silkscreen extent -4,-3.25 1.75,3.25, body extent -3.5,-3.25 3.5,3.25, height 1.8
TESTPOINT [mm]
  round 1 / inner round 0 / far side round 0 all layers, no hole mask+0.05: 1(0,0)
TESTPOINT_PAD [mm]
  rect 1.5x1.5 hole 1: 1(0,0)
TESTPOINT_VIA#1 [mil]
  round 39.37 / inner round 20 / far side round 20 all layers, no hole mask+4: 1(0,0)
TESTPOINT_VIA#2 [mil]
  round 39.37 / inner round 0 / far side round 0 all layers, no hole mask+4: 1(0,0)
TESTPOINT_VIA#3 [mil]
  round 39.37 / inner round 39.37 / far side round 0 all layers, no hole mask+4: 1(0,0)
TESTPOINT_VIA#4 [mil]
  round 39.37 / inner round 15.75 / far side round 15.75 all layers, no hole mask+4: 1(0,0)
TO228P972X240-3N [mm]
  rect 2.1x1 smd: 1(-4.35,2.28) 3(-4.35,-2.28)
  rect 5.85x4.9 smd: 4(2.45,0)
  silkscreen extent -5.27,-3.25 -0.85,3.43, body extent -4.97,-3.3 4.56,3.3, height 2.3
TSOP-54 [mil]
  rect 20x90 smd: 1(-409.45,-230.32) 2(-377.95,-230.32) 3(-346.46,-230.32) 4(-314.96,-230.32) 5(-283.46,-230.32) 6(-251.97,-230.32) 7(-220.47,-230.32) 8(-188.98,-230.32) 9(-157.48,-230.32) 10(-125.98,-230.32) 11(-94.49,-230.32) 12(-62.99,-230.32) 13(-31.5,-230.32) 14(0,-230.32) 15(31.5,-230.32) 16(62.99,-230.32) 17(94.49,-230.32) 18(125.98,-230.32) 19(157.48,-230.32) 20(188.98,-230.32) 21(220.47,-230.32) 22(251.97,-230.32) 23(283.46,-230.32) 24(314.96,-230.32) 25(346.46,-230.32) 26(377.95,-230.32) 27(409.45,-230.32) 28(409.45,230.31) 29(377.95,230.31) 30(346.46,230.31) 31(314.96,230.31) 32(283.46,230.31) 33(251.97,230.31) 34(220.47,230.31) 35(188.98,230.31) 36(157.48,230.31) 37(125.98,230.31) 38(94.49,230.31) 39(62.99,230.31) 40(31.5,230.31) 41(0,230.31) 42(-31.5,230.31) 43(-62.99,230.31) 44(-94.49,230.31) 45(-125.98,230.31) 46(-157.48,230.31) 47(-188.98,230.31) 48(-220.47,230.31) 49(-251.97,230.31) 50(-283.46,230.31) 51(-314.96,230.31) 52(-346.46,230.31) 53(-377.95,230.31) 54(-409.45,230.31)
  silkscreen extent -433,-197 433,197, body extent -443,-230 443,226, height 55
WS2812B_2.2x2mm [mm]
  rect 0.9x0.7 smd: 1(-0.947,0.507) 2(-0.947,-0.593) 3(0.883,-0.593) 4(0.883,0.507)
  silkscreen extent -1.33,-1.14 0.97,1.11, body extent -1.13,-1.03 1.07,0.97, height 0.86